# Altium PCB IO模組燈.PcbDoc
Units mil, origin at the board's own origin, x right, y up, seen from the top; angles counter-clockwise.
Board outline 787.4 x 629.92 mil, 4 copper layers (Top Layer, Layer 1, Layer 2, Bottom Layer), stack 23.756 mil thick; 10 components, 10 nets, 28 pads, 1 vias.
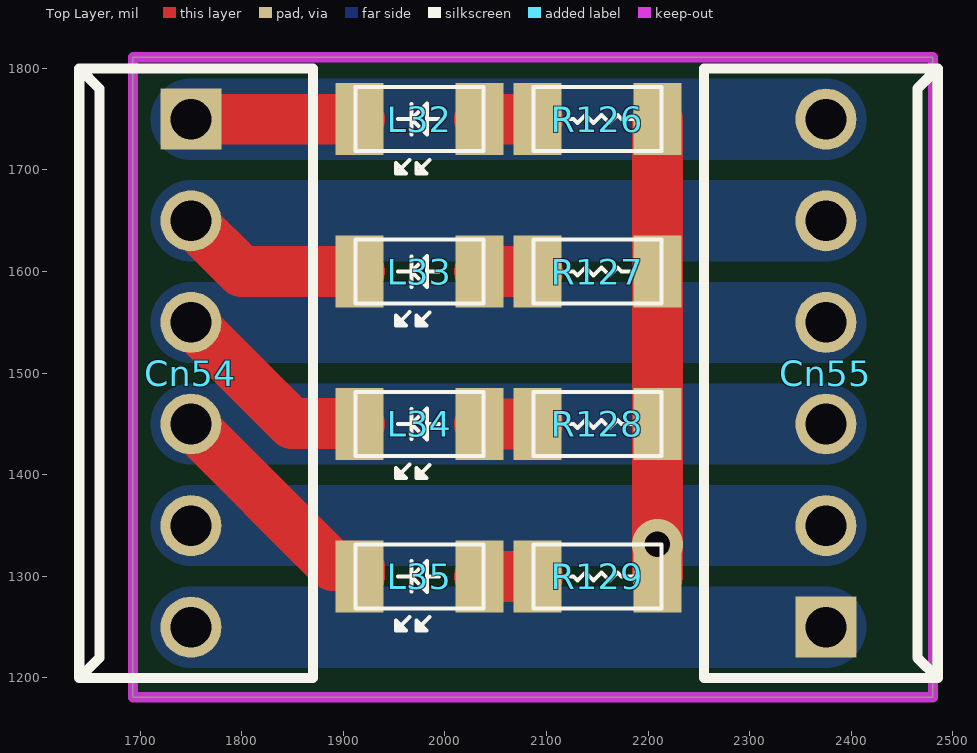
[diagram p0: Top Layer view]
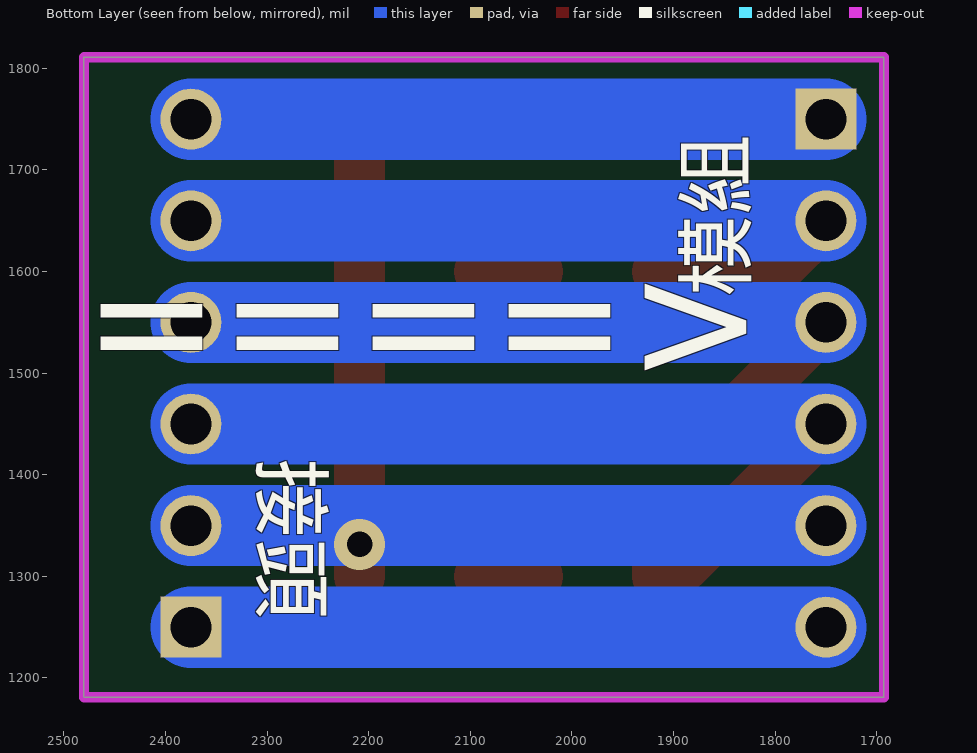
[diagram p1: Bottom Layer view, seen from below]
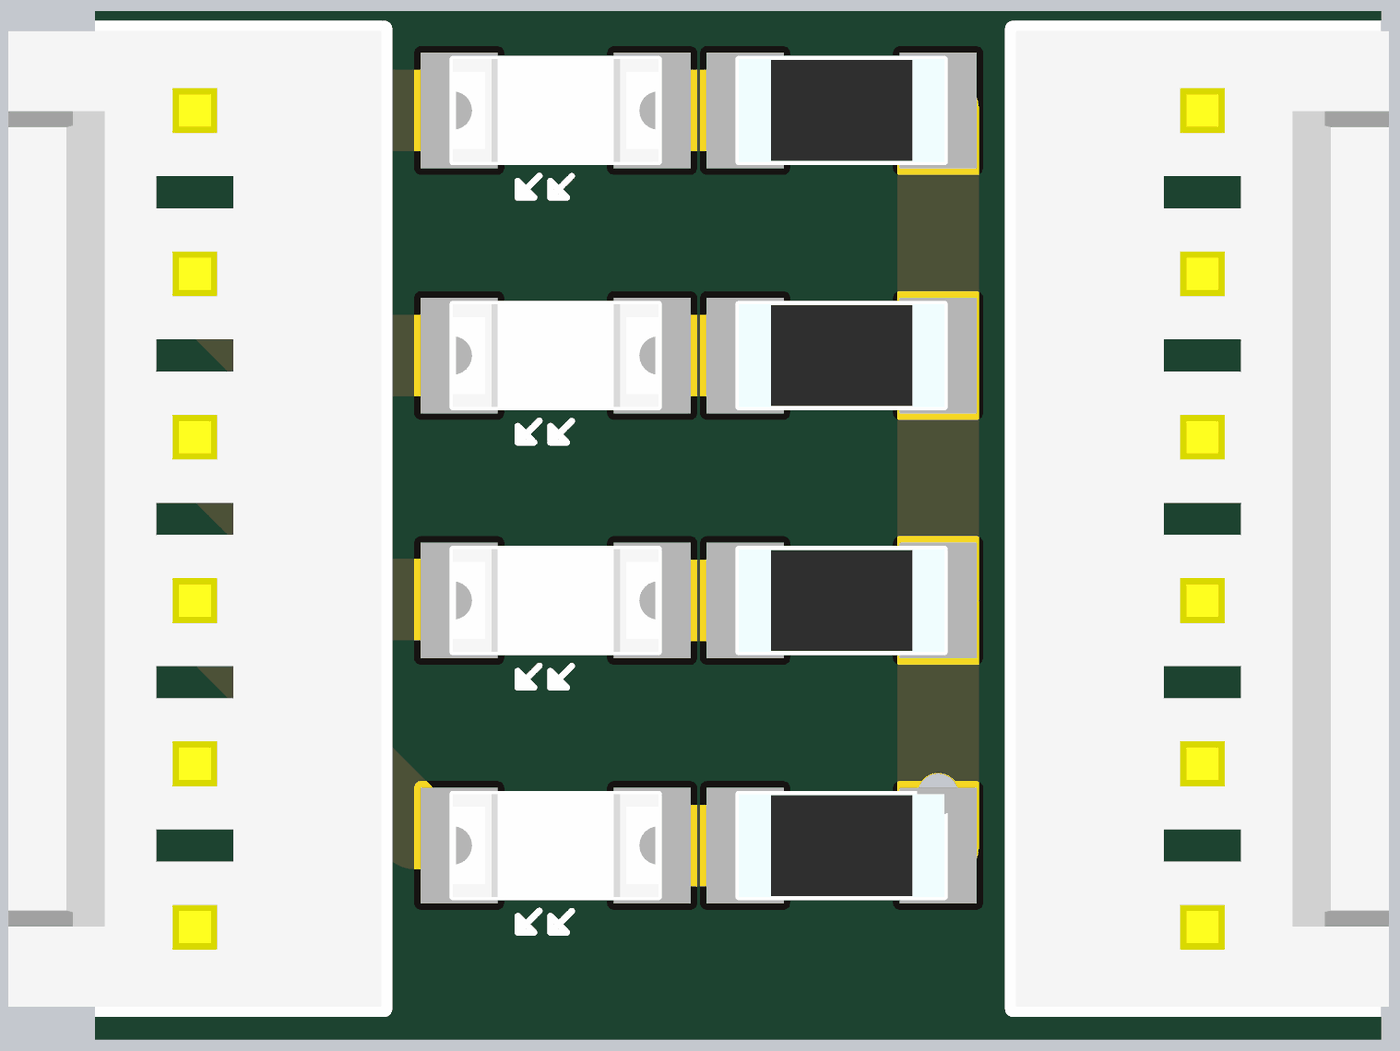
[diagram p2: 3D render of the assembled board from above, using the file's embedded part models]

## Layer stack, top to bottom
Top Solder: solder mask 0.4, Solder Resist, Dk 3.5
Top Layer: signal copper 1.4
Dielectric 2: prepreg 2.8, PP-006, Dk 4.1
Layer 1: signal copper 1.378
Dielectric 1: dielectric 12.6, FR-4, Dk 4.8
Layer 2: signal copper 1.378
Dielectric 3: prepreg 2.8, PP-006, Dk 4.1
Bottom Layer: signal copper 1.4
Bottom Solder: solder mask 0.4, Solder Resist, Dk 3.5

## Board outline
1692.91,1181.1 2480.31,1181.1 2480.31,1811.02 1692.91,1811.02

## Design rules (kind name [scope] priority, off if disabled: settings)
Clearance [All] p1: gap=6 ignorepadtopadclearanceinfootprint=FALSE
ComponentClearance [All] p1: gap=0 collisioncheckmode=3 verticalgap=0 showdistances=FALSE
DiffPairsRouting [All] p1: maxlimit=10 minlimit=10 mostfreqgap=10 toplayer_minwidth=6 toplayer_maxwidth=15 toplayer_prefwidth=15 midlayer1_minwidth=6 midlayer1_maxwidth=15 midlayer1_prefwidth=15 midlayer2_minwidth=6 midlayer2_maxwidth=15 midlayer2_prefwidth=15 bottomlayer_minwidth=6 bottomlayer_maxwidth=15 bottomlayer_prefwidth=15 maxuncoupledlength=500
Height [All] p1: minheight=0 maxheight=2000 prefheight=500
PolygonConnect [All] p1: connectstyle=Relief reliefconductorwidth=10 reliefentries=4 polygonreliefangle="45 Angle" airgapwidth=10
RoutingVias [All] p1: holewidth=28 width=50 viastyle="Through Hole" minholewidth=10 minwidth=20 maxholewidth=50 maxwidth=100
SolderMaskExpansion [All] p1: expansion=4 istentingtop=FALSE
Width [All] p1: maxlimit=100 minlimit=6 preferedwidth=10 minimp=50.000000 maximp=50.000000 favimp=50.000000
27 further rules are at their usual default settings.

## Components (designator, comment, footprint, x,y, rotation, side; value= is the part's Value field where it differs from the comment)
Cn54 "KF2510-6" Connector_KF2510-6A 1750,1750 r0 top
Cn55 "KF2510-6" Connector_KF2510-6A 2375,1250 r180 top
L32 "藍" LED-1206 1975,1750 r0 top
L33 "藍" LED-1206 1975,1600 r0 top
L34 "藍" LED-1206 1975,1450 r0 top
L35 "藍" LED-1206 1975,1300 r0 top
R126 "1K" Res-1206 2150,1750 r0 top
R127 "1K" Res-1206 2150,1600 r0 top
R128 "1K" Res-1206 2150,1450 r0 top
R129 "1K" Res-1206 2150,1300 r0 top

## Footprints (in the part's own frame and the unit in brackets; to place one, negate y for a bottom-side part, rotate by r counter-clockwise, add the part's x,y. Pads: shape width x height; smd on the part's side, far side on the other; paste and mask are expansions set on the pad)
Connector_KF2510-6A [mil] "防呆接頭(6P)"
  rect 60x60 hole 40: 1(0,0)
  round 60 hole 40: 2(0,-100) 3(0,-200) 4(0,-300) 5(0,-400) 6(0,-500)
  silkscreen extent -110,-550 120,50, body extent -110,-549 118,49, height 124
LED-1206 [mm] "發光二極體 SMD-1206"
  rect 1.2x1.8 smd: 1(-1.5,0) 2(1.5,0)
  silkscreen extent -1.6,-1.35 1.6,0.8, body extent -1.6,-0.8 1.6,0.8, height 1.1
Res-1206 [mm] "1/4W電阻 SMD"
  rect 1.2x1.8 smd: 1(-1.5,0) 2(1.5,0)
  silkscreen extent -1.6,-0.8 1.6,0.8, body extent -1.6,-0.8 1.6,0.8, height 0.75

## Part data
Cn54 Cn55: library part Contact(6P), "接線端子"
L32 L33 L34 L35: library part LED, "LED"
R126 R127 R128 R129: library part Res, "電阻"

## Via types
v1: diameter 50, hole 25, Top Layer to Bottom Layer, tented both sides, 1 vias

## Nets (pads, with @x,y where several pads share a name; then routed paths per layer and width w, separated by ;. In a path a pad name is that pad's centre, name@x,y a point inside that pad or via, vN(x,y) a via of type N, cw(c..) or ccw(c..) an arc to the next point about the centre after c; other vN are vias at no path point)
+12: Cn54.5 Cn55.2 R126.2 R127.2 R128.2 R129.2 | length 1075
  Top Layer w50: R129.2 v1(2209.05,1331.5) R128.2 R127.2 R126.2
  Bottom Layer w80: Cn54.5 Cn55.2
D0: Cn54.4 Cn55.3 L35.1 | length 858.4
  Top Layer w50: Cn54.4 1889.56,1310.44 1914.57,1310.44 1915.94,1309.06 L35.1
  Bottom Layer w80: Cn54.4 Cn55.3
D1: Cn54.3 Cn55.4 L34.1 | length 832.4
  Top Layer w50: Cn54.3 1849.44,1450.56 1915.38,1450.56 L34.1
  Bottom Layer w80: Cn54.3 Cn55.4
D2: Cn54.2 Cn55.5 L33.1 | length 811.7
  Top Layer w50: Cn54.2 1800,1600 L33.1
  Bottom Layer w80: Cn54.2 Cn55.5
D3: Cn54.1 Cn55.6 L32.1 | length 790.9
  Top Layer w50: Cn54.1 L32.1
  Bottom Layer w80: Cn54.1 Cn55.6
GND: Cn54.6 Cn55.1 | length 625
  Bottom Layer w80: Cn54.6 Cn55.1
NetL32_2: L32.2 R126.1 | length 56.9
  Top Layer w50: L32.2 R126.1
NetL33_2: L33.2 R127.1 | length 56.9
  Top Layer w50: L33.2 R127.1
NetL34_2: L34.2 R128.1 | length 56.9
  Top Layer w50: L34.2 R128.1
NetL35_2: L35.2 R129.1 | length 56.9
  Top Layer w50: L35.2 R129.1

## Keep-outs
Keep-Out Layer:
  the board outline again, w10

## Silkscreen, mask and mechanical layers (free items; w line width, h text height)
Bottom Overlay:
  text "模組" at 1811.02,1574.8 h100 r270
  text "<====" at 1811.02,1456.69 h200
  text "接頭" at 2322.83,1417.32 h100 r90